# Altium PCB waffling60-ALPS.PcbDoc (part 1 of 3)
Units mm, origin at the board's own origin, x right, y up, seen from the top; angles counter-clockwise.
Board outline 284.7 x 94.21 mm, 2 copper layers (Component Side, Bottom Layer), stack 1.571 mm thick; 200 components, 133 nets, 779 pads, 177 vias.
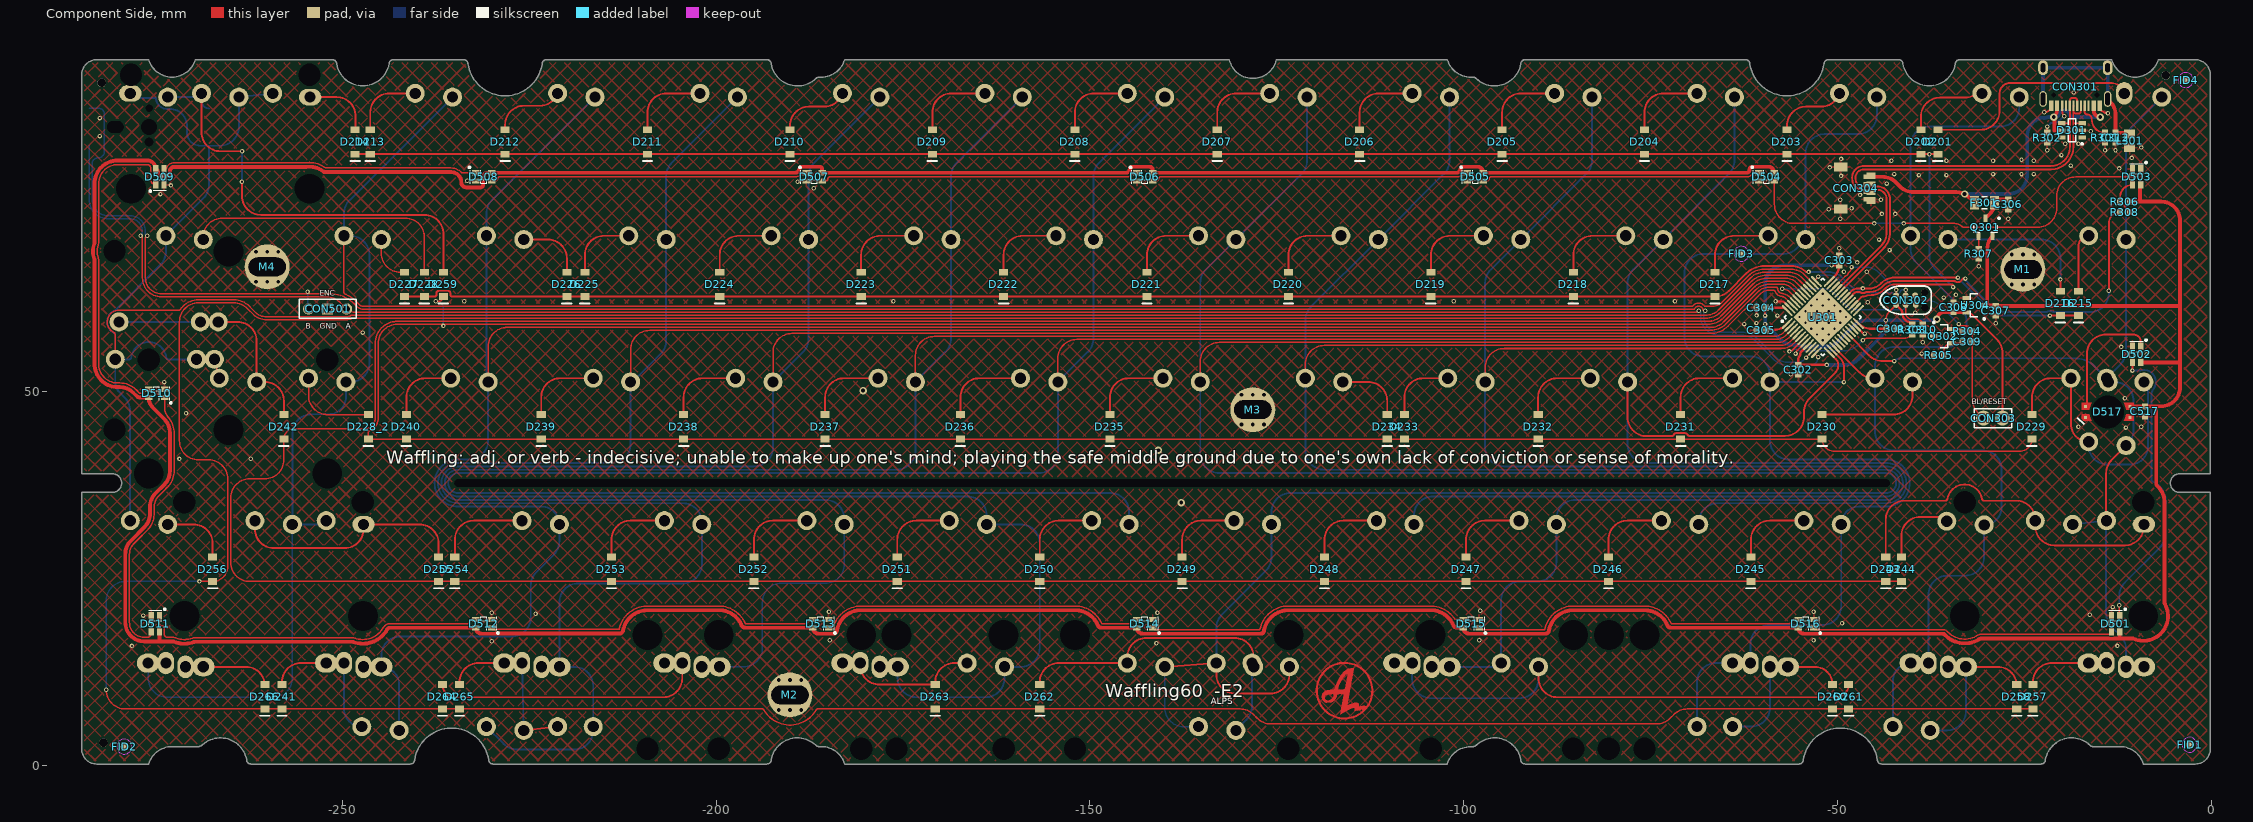
[diagram p0: Component Side view]
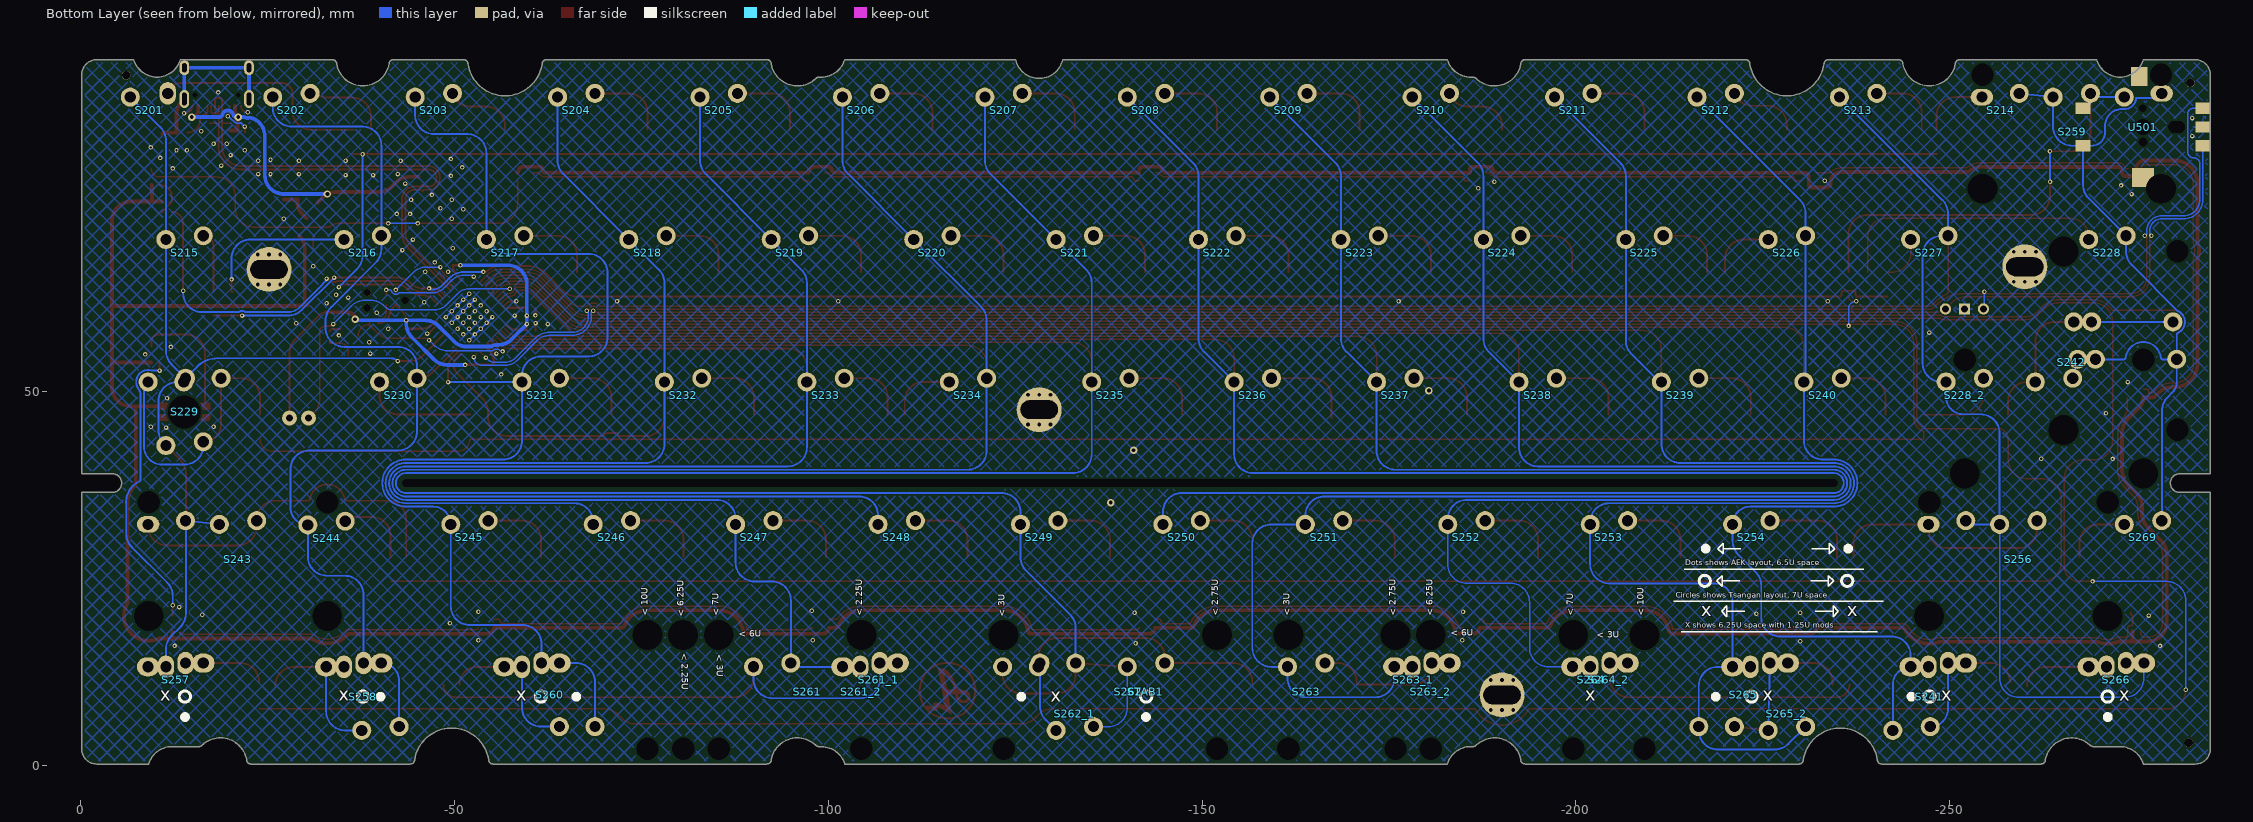
[diagram p1: Bottom Layer view, seen from below]

## Layer stack, top to bottom
Top Solder: solder mask 0.0102, Solder Resist, Dk 3.5
Component Side: signal copper 0.0356
Dielectric 1: core 1.5, FR-4, Dk 4.2
Bottom Layer: signal copper 0.0356
Solder Side: solder mask 0.0102, Solder Resist, Dk 3.5

## Board outline
-282.85,0.215 -275.891,0.215 cw(c-272.776,-0.709) -272.775,2.54 -269.318,2.54 ccw(c-269.319,3.455) -268.672,2.808 cw(c-266.3,0.158) -262.799,0.786 ccw(c-262.229,0.785) -262.228,0.215 -240.884,0.215 ccw(c-240.885,0.772) -240.328,0.771 cw(c-235.369,0.001) -230.41,0.771 ccw(c-229.853,0.772) -229.854,0.215 -193.196,0.215 ccw(c-193.195,0.785) -192.625,0.786 cw(c-189.125,0.16) -186.682,2.743 ccw(c-186.19,3.237) -186.193,2.54 -185.925,2.54 cw(c-185.924,-0.709) -182.809,0.215 -102.203,0.215 -102.203,0.204 cw(c-99.088,-0.72) -99.087,2.529 -98.833,2.529 ccw(c-98.832,3.253) -98.32,2.741 cw(c-95.875,0.159) -92.375,0.786 ccw(c-91.805,0.785) -91.804,0.215 -55.146,0.215 ccw(c-55.147,0.772) -54.59,0.771 cw(c-49.631,0.001) -44.672,0.771 ccw(c-44.115,0.772) -44.116,0.215 -22.772,0.215 ccw(c-22.771,0.785) -22.201,0.786 cw(c-18.701,0.16) -16.234,2.72 ccw(c-15.799,3.155) -15.8,2.54 -12.225,2.54 cw(c-12.224,-0.709) -9.109,0.215 -2.15,0.215 ccw(c-2.151,2.216) -0.15,2.215 -0.15,36.54 -4.241,36.54 cw(c-4.241,37.79) -4.241,39.04 -0.15,39.04 -0.15,92.415 ccw(c-2.151,92.414) -2.15,94.415 -7.109,94.415 cw(c-10.225,95.341) -13.341,94.415 -33.68,94.415 ccw(c-33.681,93.845) -34.251,93.844 cw(c-37.751,94.471) -41.251,93.844 ccw(c-41.821,93.845) -41.822,94.415 -51.245,94.415 ccw(c-51.246,93.845) -51.816,93.844 cw(c-56.775,94.615) -61.734,93.844 ccw(c-62.304,93.845) -62.305,94.415 -91.804,94.415 ccw(c-91.805,93.845) -92.375,93.844 cw(c-95.875,94.471) -98.285,91.856 ccw(c-98.85,91.29) -98.849,92.09 -99.075,92.09 cw(c-99.076,95.339) -102.191,94.415 -125.061,94.415 cw(c-128.211,95.149) -131.361,94.414 -131.361,94.415 -182.809,94.415 cw(c-185.924,95.339) -185.925,92.09 -186.179,92.09 ccw(c-186.18,91.366) -186.692,91.878 cw(c-189.125,94.471) -192.625,93.844 ccw(c-193.195,93.845) -193.196,94.415 -222.695,94.415 ccw(c-222.696,93.845) -223.266,93.844 cw(c-228.225,94.614) -233.184,93.844 ccw(c-233.754,93.845) -233.755,94.415 -243.178,94.415 ccw(c-243.179,93.845) -243.749,93.844 cw(c-247.249,94.471) -250.749,93.844 ccw(c-251.319,93.845) -251.32,94.415 -269.659,94.415 cw(c-272.775,95.341) -275.891,94.415 -282.85,94.415 ccw(c-282.849,92.414) -284.85,92.415 -284.85,39.04 -280.759,39.04 cw(c-280.759,37.79) -280.759,36.54 -284.85,36.54 -284.85,2.215 ccw(c-282.849,2.216)

## Design rules (kind name [scope] priority, off if disabled: settings)
BoardOutlineClearance [All] p1: gap=0.254 ignorepadtopadclearanceinfootprint=FALSE except(0: Arc-SplitContinuation Track-SplitContinuation SMDPad-SplitContinuation THPad-SplitContinuation Via-SplitContinuation Fill-SplitContinuation Poly-SplitContinuation Region-SplitContinuation Text-SplitContinuation)
Clearance [All] p1: gap=0.2 ignorepadtopadclearanceinfootprint=FALSE except(0: Arc-Hole Track-Hole SMDPad-Hole THPad-Hole Via-Hole Fill-Hole Poly-Hole Region-Hole Text-Hole; 0.254: THPad-THPad THPad-Via THPad-Fill THPad-Poly THPad-Region THPad-Text Via-Via Via-Fill Via-Poly Via-Region Via-Text Fill-Fill Fill-Poly Fill-Region Fill-Text Poly-Poly Poly-Region Poly-Text Region-Region Region-Text Text-Text)
ComponentClearance [InComponent('No Component') And OnLayer('Component Side')] p1: gap=0.254 collisioncheckmode=3 verticalgap=0.254 showdistances=FALSE
DiffPairsRouting DiffPairsRouting_USB [InDifferentialPairClass('All Differential Pairs')] p1: maxlimit=0.254 minlimit=0.203 mostfreqgap=0.203 toplayer_minwidth=0.152 toplayer_maxwidth=0.381 toplayer_prefwidth=0.152 bottomlayer_minwidth=0.152 bottomlayer_maxwidth=0.381 bottomlayer_prefwidth=0.152 maxuncoupledlength=12.7
DiffPairsRouting [All] p2: maxlimit=0.254 minlimit=0.254 mostfreqgap=0.254 toplayer_minwidth=0.381 toplayer_maxwidth=0.381 toplayer_prefwidth=0.381 bottomlayer_minwidth=0.381 bottomlayer_maxwidth=0.381 bottomlayer_prefwidth=0.381 maxuncoupledlength=12.7
HoleSize [All] p1: absolutevalues=TRUE maxlimit=20 minlimit=0.025 maxpercent=80.000 minpercent=20.000
MatchedLengths MatchedLengths_USB_DiffPairs_1 [All] p1: tolerance=0.127 checknetsindiffpair=TRUE checkdiffpairvsdiffpair=FALSE checkxsignals=FALSE checkothers=FALSE
MatchedLengths MatchedLengths_USB_DiffPairs [All] p2: tolerance=0.127 checknetsindiffpair=TRUE checkdiffpairvsdiffpair=FALSE checkxsignals=FALSE checkothers=FALSE
PolygonConnect PolygonConnect_1 [All vs IsVia] p1: connectstyle=Direct reliefconductorwidth=0.254 reliefentries=4 polygonreliefangle="90 Angle" airgapwidth=0.254
PolygonConnect [All] p2: connectstyle=Relief reliefconductorwidth=0.254 reliefentries=4 polygonreliefangle="90 Angle" airgapwidth=0.254
RoutingVias [All] p1: holewidth=0.711 width=1.27 viastyle="Through Hole" minholewidth=0.711 minwidth=1.27 maxholewidth=0.711 maxwidth=1.27
SolderMaskExpansion [All] p1: expansion=0.102 istentingtop=FALSE
Width [All] p1: maxlimit=1 minlimit=0.203 preferedwidth=0.254 minimp=50.000000 maximp=50.000000 favimp=50.000000
27 further rules are at their usual default settings.

## Classes and differential pairs
component class U_4_waffling60-MX_periferals: C517 CON501 D501 D502 D503 D504 D505 D506 D507 D508 D509 D510 D511 D512 D513 D514 D515 D516 D517 U501
component class 1_waffling60-ALPS_top: FID1 FID2 FID3 FID4
component class Designator: C201 C202 C203 C204 C205 C206 D201 D202 D203 D204 D205 D206 D207 D208 D209 D210 D211 D212 D213 D214 D215 D216 D217 D218 D219 D220 D221 D222 D223 D224 D225 D226 D227 D228 D228_2 D229 D230 D231 D232 D233 D234 D235 D236 D237 D238 D239 D240 D241 D242 D243 D244 D245 D246 D247 D248 D249 D250 D251 D252 D253 D254 D255 D256 D257 D258 D259 D260 D261 D262 D263 D264 D265 D266 D268 S201 S202 S203 S204 S205 S206 S207 S208 S209 S210 S211 S212 S213 S214 S215 S216 S217 S218 S219 S220 S221 S222 S223 S224 S225 S226 S227 S228 S228_2 S229 S230 S231 S232 S233 S234 S235 S236 S237 S238 S239 S240 S241 S242 S243 S244 S245 S246 S247 S248 S249 S250 S251 S252 S253 S254 S256 S257 S258 S259 S260 S261 S261_1 S261_2 S262 S262_1 S263 S263_1 S263_2 S264 S264_2 S265 S265_2 S266 S269 STAB1
differential pair D: +D_P -D_N

## Components (designator, comment, footprint, x,y, rotation, side; value= is the part's Value field where it differs from the comment)
C301 "" C0603[1608] -42.799,58.42 r180 top value=0.1uF
C302 "" C0603[1608] -55.245,52.959 r90 top value=0.1uF
C303 "" C0603[1608] -49.784,67.564 r270 top value=0.1uF
C304 "" C0603[1608] -60.198,61.249 r0 top value=0.1uF
C305 "" C0603[1608] -60.198,58.201 r0 top value=0.1uF
C306 "" C0603[1608] -27.178,75.057 r90 top value=4.7uF
C307 "" C0603[1608] -28.829,60.833 r90 top value=1uF
C308 "" C0603[1608] -34.487,61.291 r270 top value=1uF
C309 "" C0603[1608] -32.639,56.677 r180 top value=4.7uF
C310 "" C0603[1608] -38.608,58.328 r270 top value=470nF
C312 "" C0603[1608] -12.827,84 r90 top value=0.1uF
C517 "" C0603[1608] -8.89,47.371 r90 top value=0.1uF
CON301 "TYPE-C-31-M-12" TYPE-C-31-M-12 -18.2,88.25 r180 top
CON302 "TC2030-IDC" TC2030-IDC-NL -40.894,62.265 r0 top
CON303 "Header 2" HDR1X2 -30.48,46.482 r0 top
CON304 "Header 5" UDB_combo_JST_MOLEX -47.75,77.25 r270 top
CON501 "Header 3" HDR1X3 -254.508,61.087 r0 top
D201 "Diode" SOD-123 -36.576,83.415 r90 top
D202 "Diode" SOD-123 -38.862,83.415 r90 top
D203 "Diode" SOD-123 -56.769,83.415 r90 top
D204 "Diode" SOD-123 -75.819,83.415 r90 top
D205 "Diode" SOD-123 -94.869,83.415 r90 top
D206 "Diode" SOD-123 -113.919,83.415 r90 top
D207 "Diode" SOD-123 -132.969,83.415 r90 top
D208 "Diode" SOD-123 -152.019,83.415 r90 top
D209 "Diode" SOD-123 -171.069,83.415 r90 top
D210 "Diode" SOD-123 -190.119,83.415 r90 top
D211 "Diode" SOD-123 -209.169,83.415 r90 top
D212 "Diode" SOD-123 -228.219,83.415 r90 top
D213 "Diode" SOD-123 -246.253,83.415 r90 top
D214 "Diode" SOD-123 -248.285,83.415 r90 top
D215 "Diode" SOD-123 -17.78,61.825 r90 top
D216 "Diode" SOD-123 -20.193,61.825 r90 top
D217 "Diode" SOD-123 -66.4,64.365 r90 top
D218 "Diode" SOD-123 -85.344,64.365 r90 top
D219 "Diode" SOD-123 -104.394,64.365 r90 top
D220 "Diode" SOD-123 -123.444,64.365 r90 top
D221 "Diode" SOD-123 -142.367,64.365 r90 top
D222 "Diode" SOD-123 -161.544,64.365 r90 top
D223 "Diode" SOD-123 -180.594,64.365 r90 top
D224 "Diode" SOD-123 -199.517,64.365 r90 top
D225 "Diode" SOD-123 -217.551,64.365 r90 top
D226 "Diode" SOD-123 -219.964,64.365 r90 top
D227 "Diode" SOD-123 -241.681,64.365 r90 top
D228 "Diode" SOD-123 -239.014,64.365 r90 top
D228_2 "Diode" SOD-123 -246.507,45.315 r90 top
D229 "Diode" SOD-123 -24.003,45.315 r90 top
D230 "Diode" SOD-123 -52.07,45.315 r90 top
D231 "Diode" SOD-123 -70.993,45.315 r90 top
D232 "Diode" SOD-123 -90.043,45.315 r90 top
D233 "Diode" SOD-123 -107.95,45.315 r90 top
D234 "Diode" SOD-123 -110.236,45.315 r90 top
D235 "Diode" SOD-123 -147.32,45.315 r90 top
D236 "Diode" SOD-123 -167.32,45.315 r90 top
D237 "Diode" SOD-123 -185.42,45.315 r90 top
D238 "Diode" SOD-123 -204.343,45.315 r90 top
D239 "Diode" SOD-123 -223.393,45.315 r90 top
D240 "Diode" SOD-123 -241.427,45.315 r90 top
D241 "Diode" SOD-123 -258.064,9.215 r90 top
D242 "Diode" SOD-123 -257.81,45.315 r90 top
D243 "Diode" SOD-123 -43.561,26.265 r90 top
D244 "Diode" SOD-123 -41.468,26.265 r90 top
D245 "Diode" SOD-123 -61.595,26.265 r90 top
D246 "Diode" SOD-123 -80.645,26.265 r90 top
D247 "Diode" SOD-123 -99.695,26.265 r90 top
D248 "Diode" SOD-123 -118.618,26.265 r90 top
D249 "Diode" SOD-123 -137.668,26.265 r90 top
D250 "Diode" SOD-123 -156.718,26.265 r90 top
D251 "Diode" SOD-123 -175.768,26.265 r90 top
D252 "Diode" SOD-123 -194.945,26.265 r90 top
D253 "Diode" SOD-123 -213.995,26.265 r90 top
D254 "Diode" SOD-123 -234.95,26.265 r90 top
D255 "Diode" SOD-123 -237.109,26.265 r90 top
D256 "Diode" SOD-123 -267.335,26.265 r90 top
D257 "Diode" SOD-123 -23.876,9.215 r90 top
D258 "Diode" SOD-123 -26.035,9.215 r90 top
D259 "Diode" SOD-123 -236.474,64.365 r90 top
D260 "Diode" SOD-123 -50.673,9.215 r90 top
D261 "Diode" SOD-123 -48.514,9.215 r90 top
D262 "Diode" SOD-123 -156.718,9.215 r90 top
D263 "Diode" SOD-123 -170.688,9.215 r90 top
D264 "Diode" SOD-123 -236.601,9.215 r90 top
D265 "Diode" SOD-123 -234.315,9.215 r90 top
D266 "Diode" SOD-123 -260.35,9.215 r90 top
D301 "SRV05" SOT-23-6 -18.669,84.963 r0 top
D501 "WS2812B - MINI" "WS2812B - 2020" -12.806,19 r270 top
D502 "WS2812B - MINI" "WS2812B - 2020" -10.006,55 r270 top
D503 "WS2812B - MINI" "WS2812B - 2020" -10.006,78.75 r270 top
D504 "WS2812B - MINI" "WS2812B - 2020" -59.506,78.75 r0 top
D505 "WS2812B - MINI" "WS2812B - 2020" -98.439,78.75 r0 top
D506 "WS2812B - MINI" "WS2812B - 2020" -142.656,78.75 r0 top
D507 "WS2812B - MINI" "WS2812B - 2020" -186.873,78.75 r0 top
D508 "WS2812B - MINI" "WS2812B - 2020" -231.089,78.75 r0 top
D509 "WS2812B - MINI" "WS2812B - 2020" -274.406,78.75 r90 top
D510 "WS2812B - MINI" "WS2812B - 2020" -274.834,49.784 r180 top
D511 "WS2812B - MINI" "WS2812B - 2020" -275.006,19 r270 top
D512 "WS2812B - MINI" "WS2812B - 2020" -231.089,19 r180 top
D513 "WS2812B - MINI" "WS2812B - 2020" -186.006,19 r180 top
D514 "WS2812B - MINI" "WS2812B - 2020" -142.656,19 r180 top
D515 "WS2812B - MINI" "WS2812B - 2020" -99.006,19 r180 top
D516 "WS2812B - MINI" "WS2812B - 2020" -54.223,19 r180 top
D517 "SK6812MINI-E" "SK6812MINI-E - shaped" -13.857,47.315 r0 top
F301 "Fuse Thermal" C1206[3216] -30.353,75.311 r180 top
FID1 "Plug" Fiducial_Nordic -2.921,2.794 r90 top
FID2 "Plug" Fiducial_Nordic -279.146,2.54 r90 top
FID3 "Plug" Fiducial_Nordic -62.865,68.453 r90 top
FID4 "Plug" Fiducial_Nordic -3.429,91.694 r90 top
L301 "Inductor" L0805 -10.922,83.566 r90 top
M1 "Socket" mounting_hole -25.2,66.365 r0 top
M2 "Socket" mounting_hole -190.119,9.45 r0 top
M3 "Socket" mounting_hole -128.212,47.614 r0 top
M4 "Socket" mounting_hole -260.05,66.715 r0 top
Q301 "PMOS-2" SOT-23-3 -30.226,72.009 r270 top
Q302 "2N7002 NMOS" SOT-23-3 -35.941,57.439 r0 top
R301 "Res1" R0603[1608] -14.224,84 r270 top value=5k1
R302 "Res1" R0603[1608] -21.971,84 r270 top value=5k1
R303 "Res1" R0603[1608] -40.005,58.328 r270 top value=10K
R304 "Res1" R0603[1608] -32.639,58.074 r180 top value=10K
R305 "Res1" R0603[1608] -36.449,54.899 r180 top value=100K
R306 "Res1" R0603[1608] -11.557,75.438 r180 top value=10K
R307 "Res1" R0603[1608] -31.115,68.453 r270 top value=10K
R308 "Res1" R0603[1608] -11.557,74.041 r180 top value=470
S201 "MX" "Alps-switch - switched pol"#1 -9.15,85.415 r180 bottom locked
S202 "MX" "Alps-switch - switched pol"#2 -28.2,85.415 r180 bottom locked
S203 "MX" "Alps-switch - switched pol"#2 -47.25,85.415 r180 bottom locked
S204 "MX" "Alps-switch - switched pol"#2 -66.3,85.415 r180 bottom locked
S205 "MX" "Alps-switch - switched pol"#2 -85.35,85.415 r180 bottom locked
S206 "MX" "Alps-switch - switched pol"#2 -104.4,85.415 r180 bottom locked
S207 "MX" "Alps-switch - switched pol"#2 -123.45,85.415 r180 bottom locked
S208 "MX" "Alps-switch - switched pol"#2 -142.5,85.415 r180 bottom locked
S209 "MX" "Alps-switch - switched pol"#2 -161.55,85.415 r180 bottom locked
S210 "MX" "Alps-switch - switched pol"#2 -180.6,85.415 r180 bottom locked
S211 "MX" "Alps-switch - switched pol"#2 -199.65,85.415 r180 bottom locked
S212 "MX" "Alps-switch - switched pol"#2 -218.7,85.415 r180 bottom locked
S213 "MX" "Alps-switch - switched pol"#2 -237.75,85.415 r180 bottom locked
S214 "MX" Alps-switch#1 -256.8,85.415 r180 bottom locked
S215 "MX" "Alps-switch - switched pol"#2 -13.912,66.365 r180 bottom locked
S216 "MX" Alps-switch#2 -37.725,66.365 r180 bottom locked
S217 "MX" "Alps-switch - switched pol"#2 -56.775,66.365 r180 bottom locked
S218 "MX" "Alps-switch - switched pol"#2 -75.825,66.365 r180 bottom locked
S219 "MX" "Alps-switch - switched pol"#2 -94.875,66.365 r180 bottom locked
S220 "MX" "Alps-switch - switched pol"#2 -113.925,66.365 r180 bottom locked
S221 "MX" "Alps-switch - switched pol"#2 -132.975,66.365 r180 bottom locked
S222 "MX" "Alps-switch - switched pol"#2 -152.025,66.365 r180 bottom locked
S223 "MX" "Alps-switch - switched pol"#2 -171.075,66.365 r180 bottom locked
S224 "MX" "Alps-switch - switched pol"#2 -190.125,66.365 r180 bottom locked
S225 "MX" "Alps-switch - switched pol"#2 -209.175,66.365 r180 bottom locked
S226 "MX" Alps-switch#2 -228.225,66.365 r180 bottom locked
S227 "MX" Alps-switch#2 -247.275,66.365 r180 bottom locked
S228 "MX" Alps-switch#2 -271.087,66.365 r180 bottom locked
S228_2 "MX" "Alps-switch - switched pol"#2 -252.012,47.315 r180 bottom
S229 "MX" "ALPS-switch - CAPS" -16.294,47.315 r180 bottom locked
S230 "MX" Alps-switch#2 -42.487,47.315 r180 bottom locked
S231 "MX" "Alps-switch - switched pol"#2 -61.537,47.315 r180 bottom locked
S232 "MX" "Alps-switch - switched pol"#2 -80.587,47.315 r180 bottom locked
S233 "MX" "Alps-switch - switched pol"#2 -99.637,47.315 r180 bottom locked
S234 "MX" Alps-switch#2 -118.687,47.315 r180 bottom
S235 "MX" "Alps-switch - switched pol"#2 -137.737,47.315 r180 bottom locked
S236 "MX" "Alps-switch - switched pol"#2 -156.787,47.315 r180 bottom locked
S237 "MX" "Alps-switch - switched pol"#2 -175.837,47.315 r180 bottom locked
S238 "MX" "Alps-switch - switched pol"#2 -194.887,47.315 r180 bottom locked
S239 "MX" "Alps-switch - switched pol"#2 -213.937,47.315 r180 bottom locked
S240 "MX" "Alps-switch - switched pol"#2 -232.987,47.315 r180 bottom locked
S241 "MX" "ALPS-switch - R_WIN V3" -247.274,9.215 r180 bottom locked
S242 "MX" ? -263.95,47.315 r180 bottom locked
S243 "MX" "ALPS-switch - Left shift v2" -21.056,28.265 r180 bottom locked
S244 "MX" Alps-switch#2 -32.893,28.194 r180 bottom locked
S245 "MX" "Alps-switch - switched pol"#2 -52.012,28.265 r180 bottom locked
S246 "MX" "Alps-switch - switched pol"#2 -71.062,28.265 r180 bottom locked
S247 "MX" "Alps-switch - switched pol"#2 -90.112,28.265 r180 bottom locked
S248 "MX" "Alps-switch - switched pol"#2 -109.162,28.265 r180 bottom locked
S249 "MX" "Alps-switch - switched pol"#2 -128.212,28.265 r180 bottom locked
S250 "MX" "Alps-switch - switched pol"#2 -147.262,28.265 r180 bottom locked
S251 "MX" "Alps-switch - switched pol"#2 -166.312,28.265 r180 bottom locked
S252 "MX" "Alps-switch - switched pol"#2 -185.362,28.265 r180 bottom locked
S253 "MX" "Alps-switch - switched pol"#2 -204.412,28.265 r180 bottom locked
S254 "MX" "Alps-switch - switched pol"#2 -223.462,28.265 r180 bottom locked
S256 "MX" "ALPS-switch - right shift - stabs" -259.18,28.265 r180 bottom locked
S257 "MX" "ALPS-switch - 1.5u MOD-L" -13.912,9.215 r180 bottom locked
S258 "MX" "ALPS-switch - L_WIN - V3" -37.724,9.215 r180 bottom locked
S259 "MX" "ALPS-switch - backspace" -266.325,85.415 r180 bottom locked
S260 "MX" "ALPS-SWITCH - L_ALT - V3" -61.537,9.215 r180 bottom locked
S261 "MX" "ALPS-switch - L split space_V3" -102.018,9.215 r0 bottom locked
S261_1 "MX" "Alps-switch - switched pol"#3 -106.78,9.215 r180 bottom
S261_2 "MX" "ALPS-switch - 3U - rotated stab"#1 -104.399,9.215 r180 bottom locked
S262 "MX" "ALPS-switch - Space_V3" -142.499,9.215 r180 bottom locked
S262_1 "MX" "Alps-switch - switched pol"#2 -132.978,9.215 r0 bottom locked
S263 "MX" "ALPS-switch - R split space_V3" -163.931,9.215 r0 bottom locked
S263_1 "MX" Alps-switch#3 -178.218,9.215 r180 bottom
S263_2 "MX" "ALPS-switch - 3U - rotated stab"#2 -180.599,9.215 r180 bottom locked
S264 "MX" "Alps-switch - switched pol"#4 -202.031,9.215 r180 bottom locked
S264_2 "MX" "Alps-switch - switched pol"#3 -204.412,9.215 r180 bottom locked
S265 "MX" "ALPS-SWITCH - R_ALT - V3" -223.462,9.215 r180 bottom locked
S265_2 "MX" "Alps-switch - switched pol"#2 -228.224,9.215 r0 bottom locked
S266 "MX" "ALPS-switch - 1.5u MOD-R" -271.087,9.215 r180 bottom locked
S269 "MX" Alps-switch#2 -275.85,28.265 r180 bottom locked
STAB1 "Plug" "Stab 10U" -142.499,9.215 r0 bottom locked
U301 "STM32F072/F303_LQFP48" "STM32 - COMBO 7X7MM" -51.97,60 r315 top
U304 "XC6206P332MR" SOT-23-3 -31.581,61.573 r180 top
U501 "EC-11 SMD" EC11-SMD -275.85,85.415 r90 bottom locked

## Footprints (in the part's own frame and the unit in brackets; to place one, negate y for a bottom-side part, rotate by r counter-clockwise, add the part's x,y. Pads: shape width x height; smd on the part's side, far side on the other; paste and mask are expansions set on the pad)
Alps-switch#1 [mm]
  oval 3x2.2 hole 1.5 mask+0.102: 1(-2.5,4)
  round 2.54 hole 1.5 mask+0.102: 2(2.5,4.5)
  round 1 on Mech14: ""(0,0)
Alps-switch#2 [mm]
  round 2.54 hole 1.5 mask+0.102: 1(-2.5,4) 2(2.5,4.5)
  round 1 on Mech14: ""(0,0)
Alps-switch#3 [mm]
  oval 3x2.54 hole 1.5 mask+0.102: 1(-2.5,4)
  oval 2.2x3 hole 1.5 mask+0.102: 2(2.5,4.5)
  round 1 on Mech14: ""(0,0)
"ALPS-switch - 1.5u MOD-L" [mm]
  oval 3x2.54 hole 1.5 mask+0.102: 1(-4.881,4) 2(2.5,4.5)
  oval 2.2x3 hole 1.5 mask+0.102: 1(-2.5,4) 2(0.119,4.5)
  round 1 on Mech14: ""(-2.381,0) ""(0,0)
"ALPS-switch - 1.5u MOD-R" [mm]
  oval 3x2.54 hole 1.5 mask+0.102: 1(-2.5,4) 2(4.881,4.5)
  oval 2.2x3 hole 1.5 mask+0.102: 1(-0.119,4) 2(2.5,4.5)
  round 1 on Mech14: ""(0,0) ""(2.381,0)
"ALPS-switch - 3U - rotated stab"#1 [mm]
  oval 3x2.54 hole 1.5 mask+0.102: 1(-2.5,4)
  oval 2.2x3 hole 1.5 mask+0.102: 2(2.5,4.5)
  round 1.524 hole 3 unplated: ""(-19.05,-6.985) ""(19.05,-6.985)
  round 1.524 hole 4 unplated: ""(-19.05,8.255) ""(19.05,8.255)
  round 1 on Mech14: ""(0,0)
"ALPS-switch - 3U - rotated stab"#2 [mm]
  oval 2.2x3 hole 1.5 mask+0.102: 1(-2.5,4)
  oval 3x2.54 hole 1.5 mask+0.102: 2(2.5,4.5)
  round 1.524 hole 3 unplated: ""(-19.05,-6.985) ""(19.05,-6.985)
  round 1.524 hole 4 unplated: ""(-19.05,8.255) ""(19.05,8.255)
  round 1 on Mech14: ""(0,0)
"ALPS-switch - backspace" [mm]
  round 2.54 hole 1.5 mask+0.102: 1(2.5,4.5) 1(7.025,4) 2(-2.5,4)
  oval 3x2.2 hole 1.5 mask+0.102: 2(12.025,4.5)
  round 1.524 hole 4 unplated: ""(-11.938,-8.255) ""(11.938,-8.255)
  round 1.524 hole 3 unplated: ""(-11.938,6.985) ""(11.938,6.985)
  round 1 on Mech14: ""(0,0) ""(9.525,0)
"ALPS-switch - CAPS" [mm]
  round 2.54 hole 1.5 mask+0.102: 1(-7.263,4) 1(0.119,-4) 1(2.5,4.5) 2(-4.881,-4.5) 2(-2.5,4) 2(-2.262,4.5)
  round 1 on Mech14: ""(-4.763,0) ""(-2.381,0) ""(0,0)
"ALPS-switch - L split space_V3" [mm]
  round 2.54 hole 1.5 mask+0.102: 1(12.025,-4) 2(7.025,-4.5)
  round 1.524 hole 4 unplated: ""(-2.413,-8.255)
  round 1.524 hole 3 unplated: ""(-2.413,6.985)
  round 1 on Mech14: ""(9.525,0)
"ALPS-SWITCH - L_ALT - V3" [mm]
  oval 3x2.54 hole 1.5 mask+0.102: 1(-4.881,4) 2(2.5,4.5)
  oval 2.2x3 hole 1.5 mask+0.102: 1(-2.5,4) 2(0.119,4.5)
  round 2.54 hole 1.5 mask+0.102: 1(2.5,-4) 2(7.263,-4)
  round 1 on Mech14: ""(-2.381,0.048) ""(0,0) ""(4.763,0)
"ALPS-switch - L_WIN - V3" [mm]
  oval 3x2.54 hole 1.5 mask+0.102: 1(-4.881,4) 2(2.5,4.5)
  oval 2.2x3 hole 1.5 mask+0.102: 1(-2.5,4) 2(0.119,4.5)
  round 2.54 hole 1.5 mask+0.102: 1(-0.119,-4.5) 2(4.881,-4)
  round 1 on Mech14: ""(-2.381,0) ""(0,0) ""(2.381,0)
"ALPS-switch - Left shift v2" [mm]
  oval 3x2.2 hole 1.5 mask+0.102: 1(-12.025,4)
  round 2.54 hole 1.5 mask+0.102: 1(2.5,4.5) 2(-7.025,4.5) 2(-2.5,4)
  round 1.524 hole 4 unplated: ""(-11.938,-8.255) ""(11.938,-8.255)
  round 1.524 hole 3 unplated: ""(-11.938,6.985) ""(11.938,6.985)
  round 1 on Mech14: ""(-9.525,0) ""(0,0)
"ALPS-switch - R split space_V3" [mm]
  round 2.54 hole 1.5 mask+0.102: 1(2.5,-4) 2(-2.5,-4.5)
  round 1.524 hole 4 unplated: ""(-11.938,-8.255) ""(11.938,-8.255)
  round 1.524 hole 3 unplated: ""(-11.938,6.985) ""(11.938,6.985)
  round 1 on Mech14: ""(0,0)
"ALPS-SWITCH - R_ALT - V3" [mm]
  round 2.54 hole 1.5 mask+0.102: 1(-7.025,-4) 2(-2.262,-4)
  oval 3x2.54 hole 1.5 mask+0.102: 1(-2.5,4) 2(4.881,4.5)
  oval 2.2x3 hole 1.5 mask+0.102: 1(-0.119,4) 2(2.5,4.5)
  round 1 on Mech14: ""(-4.763,0) ""(0,0) ""(2.381,0)
"ALPS-switch - R_WIN V3" [mm]
  round 2.54 hole 1.5 mask+0.102: 1(-4.881,-4.5) 2(0.119,-4)
  oval 3x2.54 hole 1.5 mask+0.102: 1(-2.5,4) 2(4.881,4.5)
  oval 2.2x3 hole 1.5 mask+0.102: 1(-0.119,4) 2(2.5,4.5)
  round 1 on Mech14: ""(-2.381,0) ""(0,0) ""(2.381,0)
"ALPS-switch - right shift - stabs" [mm]
  round 2.54 hole 1.5 mask+0.102: 1(-7.025,4.5) 1(-2.5,4) 2(2.5,4.5)
  oval 3x2.2 hole 1.5 mask+0.102: 2(-12.025,4)
  round 1.524 hole 4 unplated: ""(-11.938,-8.255) ""(11.938,-8.255)
  round 1.524 hole 3 unplated: ""(-11.938,6.985) ""(11.938,6.985)
  round 1 on Mech14: ""(-9.525,0) ""(0,0)
"ALPS-switch - Space_V3" [mm]
  round 2.54 hole 1.5 mask+0.102: 1(-19.176,4) 1(-9.406,4.5) 1(-2.5,4) 2(-14.406,4) 2(-14.176,4.5) 2(2.5,4.5)
  round 1.524 hole 3 unplated: ""(-61.91,-6.985) ""(-57.15,-6.985) ""(38.09,-6.985) ""(57.15,-6.985)
  round 1.524 hole 4 unplated: ""(-61.91,8.255) ""(-57.15,8.255) ""(38.09,8.255) ""(57.15,8.255)
  round 1 on Mech14: ""(-16.676,0) ""(-11.906,0) ""(0,0)
"Alps-switch - switched pol"#1 [mm]
  oval 2.2x3 hole 1.5 mask+0.102: 1(2.5,4.5)
  round 2.54 hole 1.5 mask+0.102: 2(-2.5,4)
  round 1 on Mech14: ""(0,0)
"Alps-switch - switched pol"#2 [mm]
  round 2.54 hole 1.5 mask+0.102: 1(2.5,4.5) 2(-2.5,4)
  round 1 on Mech14: ""(0,0)
"Alps-switch - switched pol"#3 [mm]
  oval 3x2.54 hole 1.5 mask+0.102: 1(2.5,4.5)
  oval 2.2x3 hole 1.5 mask+0.102: 2(-2.5,4)
  round 1 on Mech14: ""(0,0)
"Alps-switch - switched pol"#4 [mm]
  oval 2.2x3 hole 1.5 mask+0.102: 1(2.5,4.5)
  oval 3x2.54 hole 1.5 mask+0.102: 2(-2.5,4)
  round 1 on Mech14: ""(0,0)
C0603[1608] [mm] "Chip Resistor, 2-Leads, Body 1,57x0,80mm, IPC Medium Density"
  rect 0.8x0.85 smd: 1(-0.65,0) 2(0.65,0)
  body extent -0.83,-0.43 0.82,0.43, height 0.5
C1206[3216] [mm]
  rect 1.2x1.8 smd: 1(-1.35,0) 2(1.35,0)
  silkscreen extent -0.35,-0.8 0.35,0.8, body extent -1.6,-0.9 1.6,0.9, height 1.2
EC11-SMD [mm]
  rect 1.5x2 smd: 1(-2.5,8) 2(2.5,8) A(-2.5,-8) B(2.5,-8) C(0,-8)
  rect 2.5x3 smd: M(-6.75,0)
  rect 2.5x2.2 smd: M(6.75,0.508)
  round 0 hole 1.2 unplated: ""(-2,0)
  round 0 hole 1.6 slot 2.2 at 90 deg unplated: ""(0,-4.5)
  round 0 hole 2.1 unplated: ""(0,0)
  round 0 hole 1 unplated: ""(2.5,0)
Fiducial_Nordic [mm]
  round 1 smd paste+0 mask+0.5: 0(0,0)
  Component Side keep-out circle w0.01: c0,0 r1
HDR1X2 [mm] "Connector; Header; 2 Position"
  round 2 hole 0.9 mask+0.102: 1(0,0) 2(2.54,0)
  silkscreen extent -1.27,-1.27 3.81,1.27
HDR1X3 [mm] "Connector; Header; 3 Position"
  round 1.5 hole 0.9 mask+0.102: 1(0,0) 3(5.08,0)
  rect 1.5x1.5 hole 0.9 mask+0.102: 2(2.54,0)
  silkscreen extent -1.27,-1.27 6.35,1.27
L0805 [mm] "based on Sunlord-GZ2012D101TF_C1015 datasheet"
  rect 1.16x1.47 smd: 1(-0.92,0) 2(0.92,0)
  body extent -1.15,-0.72 1.15,0.72, height 1.02
mounting_hole [mm]
  round 1 hole 0.5 paste+0 mask+0: 1(-1.5,-2) 1(-1.5,2) 1(0,-2) 1(0,2) 1(1.5,-2) 1(1.5,2)
  round 6 hole 2.5 slot 5 at 0 deg mask+0: 1(0,0)
R0603[1608] [mm] "Chip Resistor, 2-Leads, Body 1,57x0,80mm, IPC Medium Density"
  rect 0.8x0.85 smd: 1(-0.65,0) 2(0.65,0)
  body extent -0.83,-0.43 0.82,0.43, height 0.5
"SK6812MINI-E - shaped" [mm]
  rect 0.4x0.4 smd: 1(3,0.75) 2(3,-0.75) 3(-3,-0.75) 4(-3,0.75)
  round 1 hole 4.4 unplated: ""(0,0)
  Component Side region: -3.5,0.304 -3.5,1.195 -2.157,1.195 -2.345,0.764 -2.447,0.304 -2.447,0.304 -2.449,0.304
  Component Side region: 2.447,0.304 2.345,0.764 2.157,1.195 2.157,1.195 3.5,1.195 3.5,0.304
  Component Side region: 2.157,-1.195 3.5,-1.195 3.5,-0.304 2.449,-0.304 2.447,-0.304 2.345,-0.764 2.157,-1.195
  Component Side region: -3.25,-1.195 -3.5,-0.945 -3.5,-0.304 -2.449,-0.304 -2.447,-0.304 -2.345,-0.764 -2.157,-1.195 -2.157,-1.195
  silkscreen extent -4.06,-1.65 -3.17,-0.76, body extent -2.94,-1.4 2.94,1.4, height 0.94
SOD-123 [mm]
  rect 0.91x1.22 smd: 1(1.635,0) 2(-1.635,0)
  silkscreen extent -2.54,-0.64 -2.54,0.63, body extent -1.87,-0.85 1.88,0.85, height 1.2
SOT-23-3 [mm] "3.3v regulator, used in Windsond S2 proto 1"
  rect 1x0.55 smd: 1(1.2,-0.95) 2(1.2,0.95) 3(-1.2,0)
  silkscreen extent -1.32,-1.55 0.7,1.95, body extent -1.1,-1.5 1.45,1.5, height 1
SOT-23-6 [mm]
  rect 1x0.55 smd: 1(1.375,-0.95) 2(1.375,0) 3(1.375,0.95) 4(-1.375,0.95) 5(-1.375,0) 6(-1.375,-0.95)
  silkscreen extent -0.46,-1.92 1.5,1.55, body extent -1.47,-1.49 1.37,1.44, height 1.05
"Stab 10U" [mil]
  round 60 hole 157.48 unplated: ""(-2625,-325) ""(2625,-325)
  round 60 hole 118.11 unplated: ""(-2625,275) ""(2625,275)
  round 39.37 on Mech14: ""(0,0)
"STM32 - COMBO 7X7MM" [mm] "LQFP48, 7x7mm"
  oval 0.3x1.45 smd paste-5: 1(-2.75,-4.225) 2(-2.25,-4.225) 3(-1.75,-4.225) 4(-1.25,-4.225) 5(-0.75,-4.225) 6(-0.25,-4.225) 7(0.25,-4.225) 8(0.75,-4.225) 9(1.25,-4.225) 10(1.75,-4.225) 11(2.25,-4.225) 12(2.75,-4.225) 25(2.75,4.225) 26(2.25,4.225) 27(1.75,4.225) 28(1.25,4.225) 29(0.75,4.225) 30(0.25,4.225) 31(-0.25,4.225) 32(-0.75,4.225) 33(-1.25,4.225) 34(-1.75,4.225) 35(-2.25,4.225) 36(-2.75,4.225)
  oval 0.25x0.8 smd: 1(-2.75,-3.4) 2(-2.25,-3.4) 3(-1.75,-3.4) 4(-1.25,-3.4) 5(-0.75,-3.4) 6(-0.25,-3.4) 7(0.25,-3.4) 8(0.75,-3.4) 9(1.25,-3.4) 10(1.75,-3.4) 11(2.25,-3.4) 12(2.75,-3.4) 25(2.75,3.4) 26(2.25,3.4) 27(1.75,3.4) 28(1.25,3.4) 29(0.75,3.4) 30(0.25,3.4) 31(-0.25,3.4) 32(-0.75,3.4) 33(-1.25,3.4) 34(-1.75,3.4) 35(-2.25,3.4) 36(-2.75,3.4)
  oval 0.8x0.25 smd: 13(3.4,-2.75) 14(3.4,-2.25) 15(3.4,-1.75) 16(3.4,-1.25) 17(3.4,-0.75) 18(3.4,-0.25) 19(3.4,0.25) 20(3.4,0.75) 21(3.4,1.25) 22(3.4,1.75) 23(3.4,2.25) 24(3.4,2.75) 37(-3.4,2.75) 38(-3.4,2.25) 39(-3.4,1.75) 40(-3.4,1.25) 41(-3.4,0.75) 42(-3.4,0.25) 43(-3.4,-0.25) 44(-3.4,-0.75) 45(-3.4,-1.25) 46(-3.4,-1.75) 47(-3.4,-2.25) 48(-3.4,-2.75)
  oval 1.45x0.3 smd paste-5: 13(4.225,-2.75) 14(4.225,-2.25) 15(4.225,-1.75) 16(4.225,-1.25) 17(4.225,-0.75) 18(4.225,-0.25) 19(4.225,0.25) 20(4.225,0.75) 21(4.225,1.25) 22(4.225,1.75) 23(4.225,2.25) 24(4.225,2.75) 37(-4.225,2.75) 38(-4.225,2.25) 39(-4.225,1.75) 40(-4.225,1.25) 41(-4.225,0.75) 42(-4.225,0.25) 43(-4.225,-0.25) 44(-4.225,-0.75) 45(-4.225,-1.25) 46(-4.225,-1.75) 47(-4.225,-2.25) 48(-4.225,-2.75)
  rect 5.6x5.6 smd: 47(0,0)
  silkscreen extent -3.65,-4.35 3.65,3.65, body extent -3.52,-3.52 3.52,3.52, height 0.5
TC2030-IDC-NL [mm] "Tag-Connect 6-Pin with No Legs (PN# TC2030-IDC-NL)"
  round 0.9 hole 0.995 unplated: 0(-2.54,0) 0(2.54,-1.016) 0(2.54,1.016)
  round 0.79 smd paste-0.39: 1(-1.27,-0.635) 2(-1.27,0.635) 3(0,-0.635) 4(0,0.635) 5(1.35,-0.635) 6(1.27,0.635)
  silkscreen extent -3.43,-1.91 3.43,1.9
TYPE-C-31-M-12 [mm]
  rect 0.6x1.45 smd: A1B12(-3.25,0) A4B9(-2.45,0) B1A12(3.25,0) B4A9(2.45,0)
  rect 0.3x1.45 smd: A5(-1.25,0) A6(-0.25,0) A7(0.25,0) A8(1.25,0) B5(1.75,0) B6(0.75,0) B7(-0.75,0) B8(-1.75,0)
  oval 1x2.1 / inner oval 1.3x2.4 / far side oval 1.3x2.4 hole 0.6 slot 1.7 at 90 deg: S1(-4.32,-0.915) S1(4.32,-0.915)
  oval 1.3x2 hole 0.6 slot 1.2 at 90 deg: S1(-4.32,-5.095) S1(4.32,-5.095)
  round 0 hole 0.65 unplated: ""(-2.89,-1.445) ""(2.89,-1.445)
  body extent -4.47,-7.72 4.47,0.18, height 3.21
UDB_combo_JST_MOLEX [mm]
  rect 0.6x1.2 smd: 1(-1.8,2.2) 2(-0.6,2.2) 3(0.6,2.2) 4(1.8,2.2)
  rect 0.6x1.55 smd: 1(-1.5,2.021) 2(-0.5,2.021) 3(0.5,2.021) 4(1.5,2.021)
  rect 0.85x1 smd: 5(-2.94,-1.887) 5(2.94,-1.887)
  rect 1.2x1.8 smd: 5(-2.8,-1.854) 5(2.8,-1.854)
  body extent -3.01,-2.62 2.99,2.33, height 2.96
"WS2812B - 2020" [mm]
  rect 1x0.7 smd: 1(1.065,0.55) 2(-1.065,0.55) 3(-1.065,-0.55) 4(1.065,-0.55)
  silkscreen extent -2.03,-0.89 0.38,1.4, body extent -1.1,-1 1.1,1, height 0.86
? [mm]
  round 2.54 hole 1.5 mask+0.102: 1(-2.5,4) 1(2.649,12.03) 1(5.03,12.03) 1(15.911,12.03) 2(2.5,4.5) 2(3.149,7.03) 2(5.53,7.03) 2(16.411,7.03)
  round 1.524 hole 4 unplated: ""(-11.938,-8.255) ""(1.275,-2.408) ""(1.275,21.468) ""(11.938,-8.255)
  round 1.524 hole 3 unplated: ""(-11.938,6.985) ""(11.938,6.985) ""(16.515,-2.408) ""(16.515,21.468)
  round 1 on Mech14: ""(0,0) ""(7.149,9.53) ""(9.53,9.53) ""(11.911,9.53)

## Part data
C301 C302 C303 C304 C305 C312 C517: library part Cap, "Capacitor", LCSC MFG=YAGEO, LCSC Part #=C14663, MRF.Part=CC0603KRX7R9BB104, Version="0603 imperial"
C306 C309: library part Cap, "Capacitor", LCSC MFG="Samsung Electro-Mechanics", LCSC Part #=C19666, MRF.Part=CL10A475KO8NNNC, Version="0603 imperial"
C307 C308: library part Cap, "Capacitor", LCSC MFG="Samsung Electro-Mechanics", LCSC Part #=C15849, MRF.Part=CL10A105KB8NNNC, Version="0603 imperial"
C310: library part Cap, "Capacitor", LCSC MFG="Samsung Electro-Mechanics", LCSC Part #=C1623, MRF.Part=CL10B474KA8NNNC, Version="0603 imperial"
CON301: LCSC MFG="Korean Hroparts Elec", LCSC Part #=C165948, MRF.Part=TYPE-C-31-M-12
CON302: library part "Header 3X2", "Header, 3-Pin, Dual row"
CON303: "Header, 2-Pin"
CON304: "JST for USB daughter board", LCSC MFG="BOOMELE(Boom Precision Elec)", LCSC Part #=C145956
CON501: "Header, 3-Pin"
D201 D202 D203 D204 D205 D206 D207 D208 D209 D210 D211 D212 D213 D214 D215 D216 D217 D218 D219 D220 D221 D222 D223 D224 D225 D226 D227 D228 D228_2 D229 D230 D231 D232 D233 D234 D235 D236 D237 D238 D239 D240 D241 D242 D243 D244 D245 D246 D247 D248 D249 D250 D251 D252 D253 D254 D255 D256 D257 D258 D259 D260 D261 D262 D263 D264 D265 D266: "Default Diode", LCSC MFG=ST(Semtech), LCSC Part #=C81598, MRF.Part=1N4148W, Version=SOD-123
D301: LCSC MFG="ProTek Devices", LCSC Part #=C85364, MRF.Part=SRV05-4-P-T7
D501 D502 D503 D504 D505 D506 D507 D508 D509 D510 D511 D512 D513 D514 D515 D516: library part WS2812B, LCSC MFG=Worldsemi, LCSC Part #=C965555, MRF.Part=WS2812B-2020
D517: LCSC MFG=TONYU, LCSC Part #=C524051, MRF.Part=DY-S352818/RGBC/6812-2T
F301: "Thermal Fuse", LCSC MFG="Shenzhen JDT Fuse", LCSC Part #=C135338, MRF.Part=ASMD1206-050
L301: LCSC MFG=Sunlord, LCSC Part #=C1015, MRF.Part=GZ2012D101TF, Version="0806 imperial"
Q301: "P-Channel Power MOSFET", LCSC MFG="Vishay Intertech", LCSC Part #=C10487, MRF.Part=SI2301CDS-T1-GE3, Version=SOT23-3
Q302: library part MOSFET-N, "N-Channel MOSFET", LCSC MFG="Changjiang Electronics Tech (CJ)", LCSC Part #=C8545, MRF.Part=2N7002
R301 R302: "Resistor", LCSC MFG="Uniroyal Elec", LCSC Part #=C23186, MRF.Part=0603WAF5101T5E, Version="0603 imperial"
R303 R304 R306 R307: "Resistor", LCSC MFG="Uniroyal Elec", LCSC Part #=C25804, MRF.Part=0603WAF1002T5E, Version="0603 imperial"
R305: "Resistor", LCSC MFG="Uniroyal Elec", LCSC Part #=C25803, MRF.Part=0603WAF1003T5E, Version="0603 imperial"
R308: "Resistor", LCSC MFG="UNI-ROYAL(Uniroyal Elec)", LCSC Part #=C23179, MRF.Part=0603WAF4700T5E, Version="0603 imperial"
S201 S202 S203 S204 S205 S206 S207 S208 S209 S210 S211 S212 S213 S214 S216 S217 S218 S219 S220 S221 S222 S223 S224 S225 S226 S227 S228 S228_2 S229 S230 S231 S232 S233 S234 S235 S236 S237 S238 S239 S240 S241 S242 S243 S244 S245 S246 S247 S248 S249 S250 S251 S252 S253 S254 S256 S257 S258 S259 S260 S261 S261_1 S261_2 S262 S262_1 S263 S263_1 S263_2 S264 S264_2 S265 S265_2 S266 S269: library part SW-PB, "Switch"
S215: library part SW-PB, "TAB"
U301: LCSC MFG=Geehy, LCSC Part #=C915660, MRF.Part=APM32F072CBT6
U304: library part "SOT23 LDO", LCSC MFG="Torex Semicon", LCSC Part #=C5446, MRF.Part=XC6206P332MR
U501: library part EC-11

## Free pads (board coordinates)
  round 1.152 hole 1.152 unplated paste+0.148 mask+0.148: ""(-282.194,91.313) ""(-281.94,3.048) ""(-6.096,92.329)
  round 0 hole 1 slot 192 at 0 deg unplated: ""(-139,37.79)

## Via types
v1: diameter 0.6, hole 0.3, Component Side to Bottom Layer, tented both sides, 145 vias
v2: diameter 0.6, hole 0.3, Component Side to Bottom Layer, tented bottom, 25 vias
v3: diameter 1, hole 0.5, Component Side to Bottom Layer, tented both sides, 7 vias

## Nets (pads, with @x,y where several pads share a name; then routed paths per layer and width w, separated by ;. In a path a pad name is that pad's centre, name@x,y a point inside that pad or via, vN(x,y) a via of type N, cw(c..) or ccw(c..) an arc to the next point about the centre after c; other vN are vias at no path point)
BOOT0: C309.1 CON303.1 R304.1 U301.44 | length 43
  Component Side w0.203: v1(-57.404,63.777) cw(c-57.404,62.339) -57.245,63.769 cw(c-57.404,62.339) -56.387,63.356 U301.44@-55.488,62.457 ; v1(-33.782,59.055) ccw(c-33.528,59.055) -33.528,58.801 -32.716,58.801 cw(c-32.716,58.074) R304.1@-31.989,58.074 C309.1@-31.989,56.677 -31.989,49.043 ccw(c-29.449,49.043) -31.245,47.247 CON303.1@-30.48,46.482
  Bottom Layer w0.203: v1(-57.404,63.777) -52.009,63.777 cw(c-52.009,61.529) -50.419,63.119 -48.895,61.595 ccw(c-47.362,63.128) -48.894,61.594 ccw(c-47.362,63.128) -47.362,60.96 -41.687,60.96 ccw(c-41.687,62.261) -40.767,61.341 -40.618,61.49 cw(c-38.831,59.703) -38.831,62.23 -38.009,62.23 cw(c-38.009,59.69) -36.239,61.512 cw(c-38.009,59.69) -36.213,61.486 v1(-33.782,59.055)
col1: S201.2 S215.2 S229.2 S243.2 S257.1 U301.20 | length 124.3
  Component Side w0.254: U301.20@-48.452,57.543 -45.755,54.846 ccw(c-43.959,56.642) -43.959,54.102 v1(-42.418,54.102) ; S243.2@-14.071,32.761 -14.071,39.104 cw(c-11.531,39.104) -13.327,40.9 S229.2@-11.412,42.815
  Bottom Layer w0.254: v1(-42.418,54.102) cw(c-41.498,53.182) -41.498,54.483 -18.29,54.483 cw(c-18.29,50.642) -15.574,53.358 S229.2@-14.031,51.815 -12.156,53.69 ccw(c-13.952,55.486) -11.412,55.486 S215.2@-11.412,70.365 -11.412,83.6 cw(c-8.872,83.6) -10.669,85.396 S201.2@-6.65,89.415 ; S243.2@-18.556,32.265 S243.2@-14.071,32.761 ; S243.2@-14.031,32.765 S243.2@-14.071,32.761 ; S229.2@-13.794,51.315 -12.954,51.315 cw(c-12.954,48.775) -10.414,48.775 -10.414,44.866 cw(c-12.954,44.866) -11.158,43.07 S229.2@-11.412,42.815 ; S257.1@-11.412,13.215 -11.412,15.567 ccw(c-13.952,15.567) -12.156,17.363 -13.327,18.534 cw(c-11.531,20.33) -14.071,20.33 S243.2@-14.071,32.761
col2: S202.2 S216.2 S230.2 S244.1 S258.2 U301.15 | length 138.9
  Component Side w0.254: U301.15@-50.22,55.775 -47.004,52.559 ccw(c-45.208,54.355) -45.208,51.815 S230.2@-44.987,51.815
  Bottom Layer w0.254: S258.2@-42.606,5.215 -42.606,11.334 cw(c-40.224,11.334) S258.2@-40.224,13.715 ; S258.2@-37.843,13.715 -37.843,22.86 cw(c-35.303,22.86) -35.303,25.4 -32.933,25.4 ccw(c-32.933,27.94) -30.393,27.94 S244.1@-30.393,32.194 ccw(c-30.393,34.52) -28.067,34.52 -28.067,39.624 ccw(c-30.607,39.624) -30.607,42.164 -42.447,42.164 cw(c-42.447,44.704) -44.987,44.704 S230.2@-44.987,51.815 -44.987,53.467 cw(c-42.447,53.467) -42.447,56.007 -35.306,56.007 ccw(c-35.306,58.547) -32.766,58.547 -32.766,59.527 ccw(c-35.306,59.527) -33.51,61.323 -39.481,67.294 cw(c-37.685,69.09) -40.225,69.09 S216.2@-40.225,70.865 -40.225,82.931 cw(c-37.685,82.931) -37.685,85.471 -28.24,85.471 ccw(c-28.24,88.011) -25.7,88.011 S202.2@-25.7,89.415
col3: S203.2 S217.2 S231.2 S245.2 S260.2 U301.14 | length 166.2
  Component Side w0.254: S260.2@-68.799,4.953 S260.2@-68.799,5.215 ; U301.14@-50.573,55.422 -49.646,54.494 ; -49.645,54.493 cw(c-50.846,53.294) -49.149,53.294 v1(-49.149,51.308)
  Bottom Layer w0.254: S260.2@-68.799,5.215 -68.799,11.175 cw(c-66.259,11.175) -66.259,13.715 S260.2@-64.037,13.715 ; S260.2@-61.656,13.715 -61.656,16.256 cw(c-59.116,16.256) -59.116,18.796 -52.052,18.796 ccw(c-52.052,21.336) -49.512,21.336 S245.2@-49.512,32.265 cw(c-47.135,32.265) -47.135,34.642 -43.5,34.642 ccw(c-43.5,37.79) -43.5,40.938 -56.497,40.938 cw(c-56.497,43.478) -59.037,43.478 S231.2@-59.037,51.315 ; -55.463,69.177 cw(c-57.212,70.928) -57.212,68.453 -67.945,68.453 ccw(c-67.945,65.913) -70.485,65.913 -70.485,57.277 ccw(c-67.945,57.277) -67.945,54.737 -61.577,54.737 cw(c-61.577,52.197) -59.037,52.197 S231.2@-59.037,51.315 ; -55.462,69.178 S217.2@-54.275,70.365 -54.275,81.915 cw(c-51.735,81.915) -51.735,84.455 -47.29,84.455 ccw(c-47.29,86.995) -44.75,86.995 S203.2@-44.75,89.415 ; v1(-49.149,51.308) -49.156,51.315 S231.2@-59.037,51.315
col4: S204.2 S218.2 S232.2 S246.2 U301.13 | length 165.5
  Component Side w0.254: S232.2@-78.087,51.452 S232.2@-78.087,51.315 -78.087,46.609 ccw(c-75.547,46.609) -76.017,44.113 ccw(c-75.971,44.363) -75.972,44.109 -72.136,44.109 ccw(c-72.138,44.363) -71.904,44.263 cw(c-71.603,44.135) -71.603,44.462 -70.383,44.462 cw(c-70.383,44.135) -70.082,44.262 ccw(c-69.848,44.363) -69.85,44.109 -57.023,44.109 ccw(c-57.023,46.649) -54.483,46.649 -54.483,47.335 cw(c-51.943,47.335) -53.739,49.131 -50.36,52.51 ccw(c-51.444,53.594) -49.911,53.594 ccw(c-51.017,53.594) -50.235,54.376 U301.13@-50.927,55.068
  Bottom Layer w0.254: S246.2@-68.562,32.265 -68.562,32.556 cw(c-66.022,32.556) -66.022,35.096 -43.5,35.096 ccw(c-43.5,37.79) -43.5,40.484 -75.547,40.484 cw(c-75.547,43.024) -78.087,43.024 S232.2@-78.087,51.315 -78.087,64.55 cw(c-75.547,64.55) -77.344,66.346 S218.2@-73.325,70.365 -64.544,79.146 ccw(c-66.34,80.942) -63.8,80.942 S204.2@-63.8,89.415
col5: S205.2 S219.2 S233.2 S247.2 S261.2 S261_1.2 S261_2.1 U301.6 | length 237.8
  Component Side w0.203: S233.2@-97.137,51.315 -97.137,53.251 cw(c-94.597,53.251) -94.597,55.791 -57.521,55.791 ccw(c-57.521,58.178) -55.834,56.49 ; -55.833,56.49 U301.6@-55.134,57.189
  Bottom Layer w0.254: S261_2.1@-101.899,13.215 -95.493,13.215 ccw(c-95.493,13.715) S261.2@-94.993,13.715 -94.993,22.098 cw(c-92.453,22.098) -92.453,24.638 -90.152,24.638 ccw(c-90.152,27.178) -87.612,27.178 S247.2@-87.612,32.265 -87.612,33.01 cw(c-85.072,33.01) -85.072,35.55 -43.5,35.55 ccw(c-43.5,37.79) -43.5,40.03 -94.597,40.03 cw(c-94.597,42.57) -97.137,42.57 S233.2@-97.137,51.315 -97.137,64.55 cw(c-94.597,64.55) -96.394,66.346 S219.2@-92.375,70.365 -83.594,79.146 ccw(c-85.39,80.942) -82.85,80.942 S205.2@-82.85,89.415